# KiCad board hackpadd.kicad_pcb
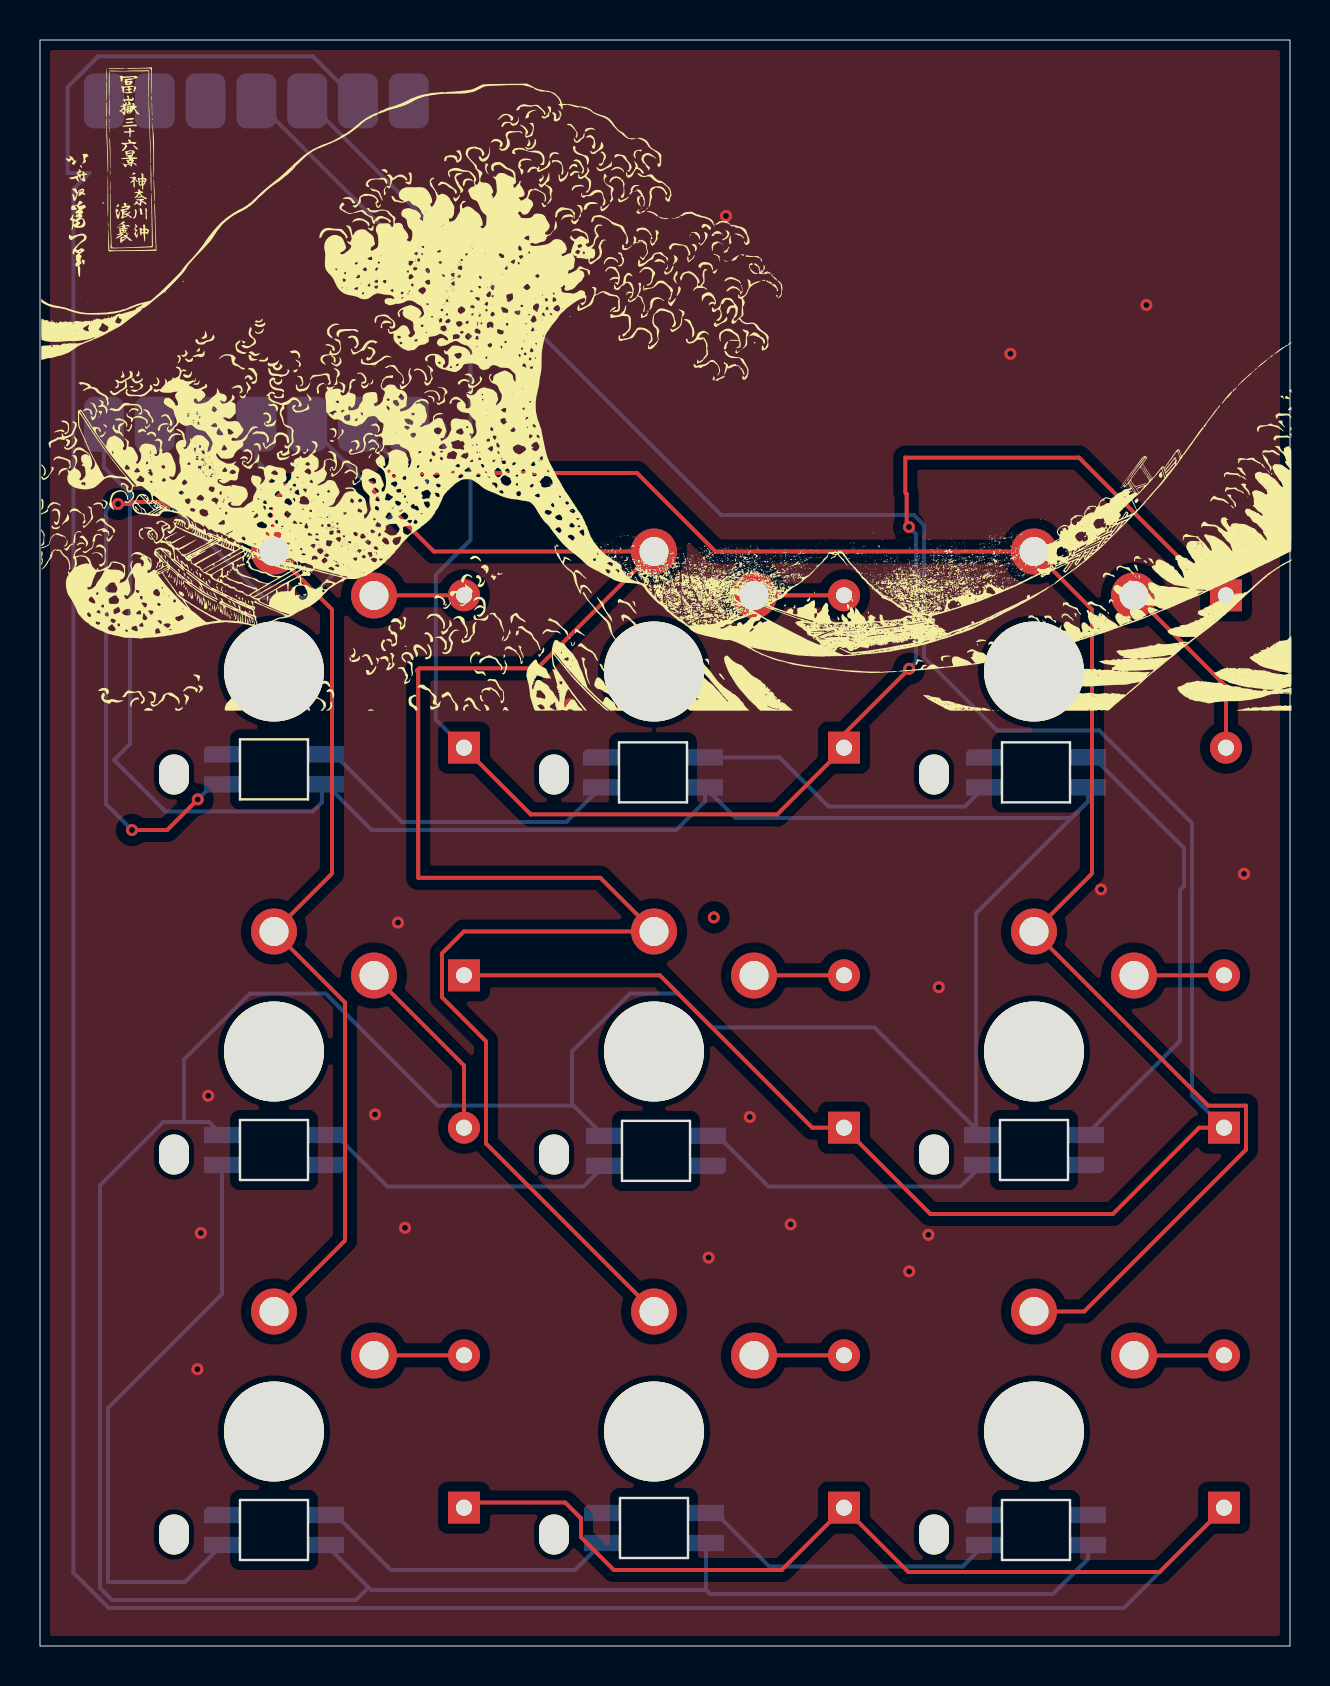
[diagram p0: board, top side]
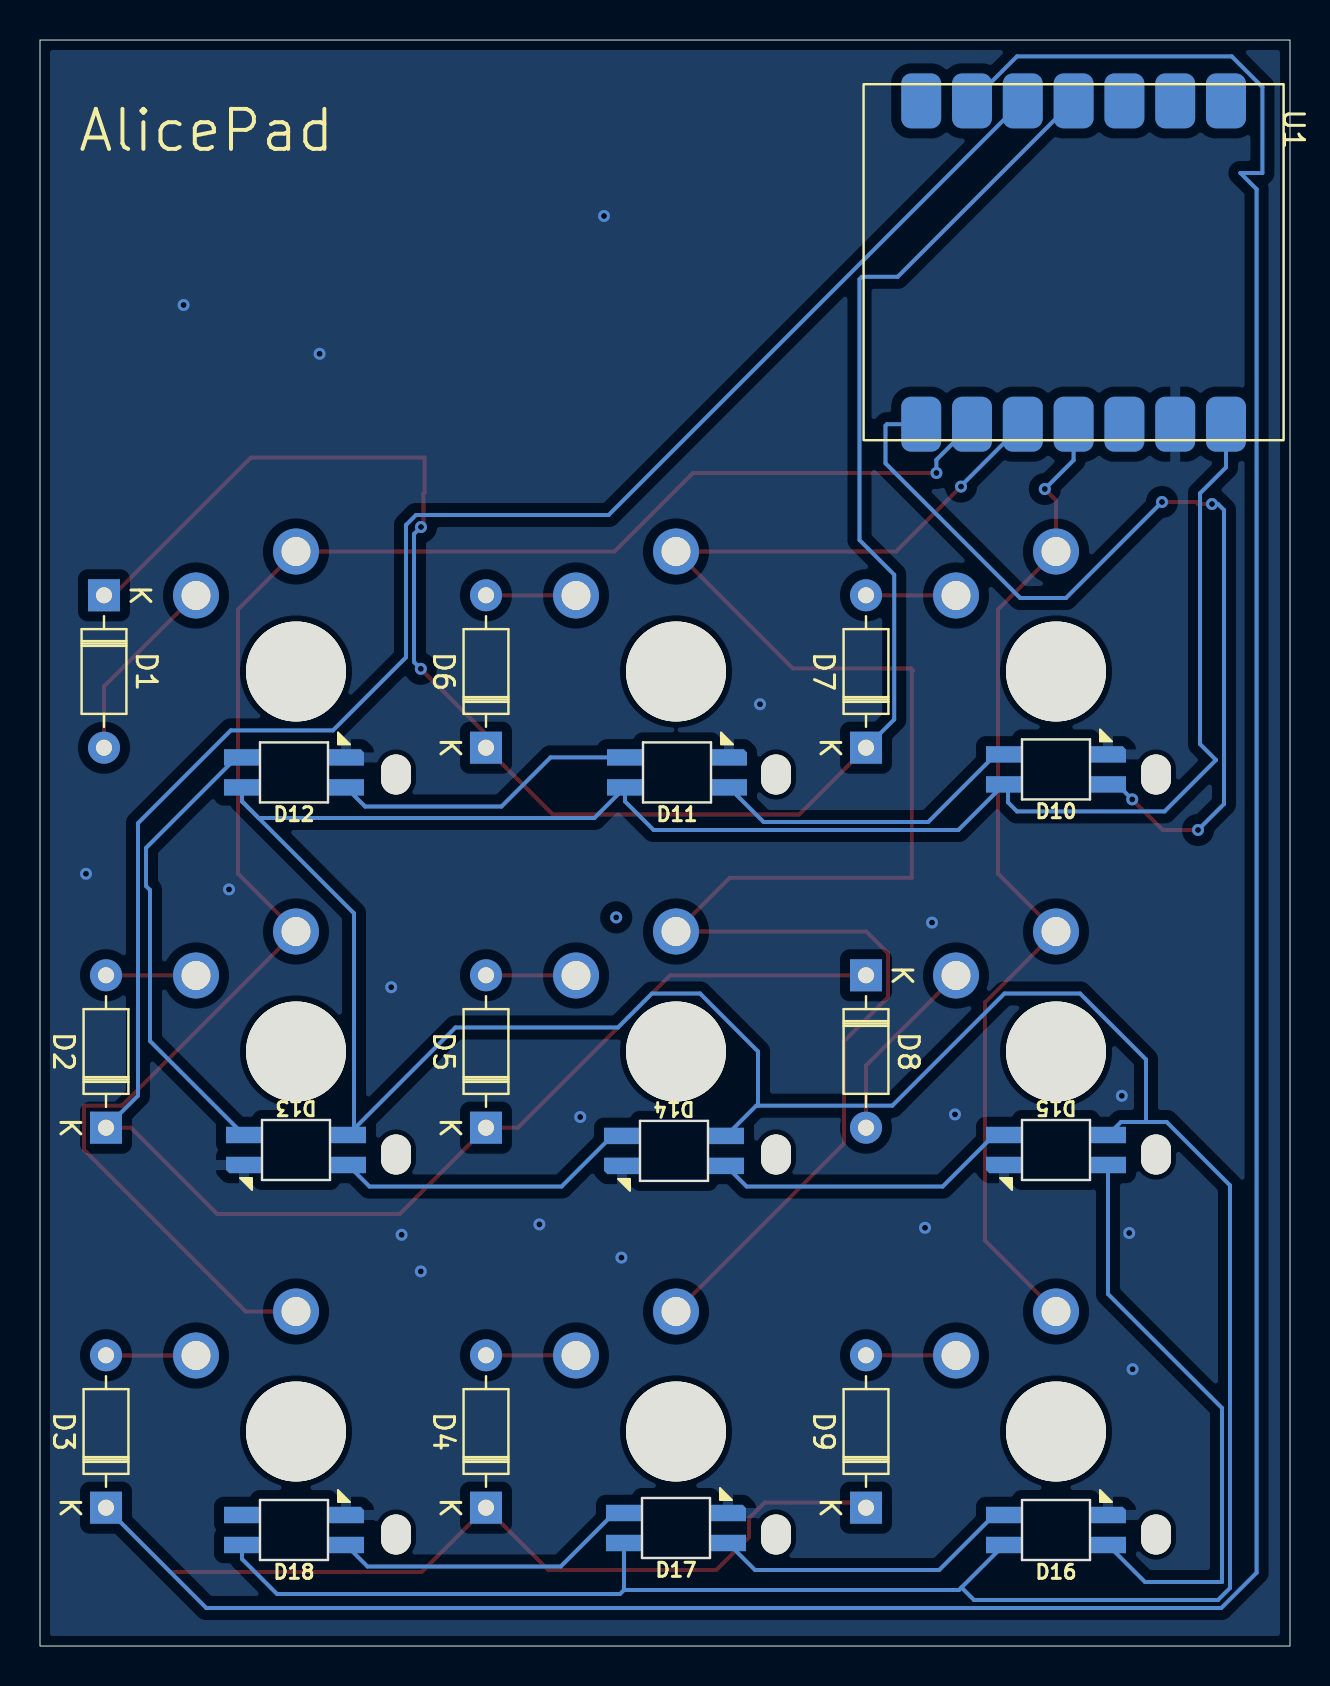
[diagram p1: board, bottom side, seen from below]

Outline 62.5 x 80.3 mm; copper layers: Top, Bottom. Coordinates in mm from the lower left corner of the outline.
Outline path: rectangle 0,80.3 62.5,0

## Placement (name value [footprint] x y rotation side)
D1  D  [D_DO-35_SOD27_P7.62mm_Horizontal]  59.3 52.53 270 bottom
D2  D  [D_DO-35_SOD27_P7.62mm_Horizontal]  59.2 25.91 90 bottom
D3  D  [D_DO-35_SOD27_P7.62mm_Horizontal]  59.2 6.91 90 bottom
D4  D  [D_DO-35_SOD27_P7.62mm_Horizontal]  40.2 6.91 90 bottom
D5  D  [D_DO-35_SOD27_P7.62mm_Horizontal]  40.2 25.91 90 bottom
D6  D  [D_DO-35_SOD27_P7.62mm_Horizontal]  40.2 44.91 90 bottom
D7  D  [D_DO-35_SOD27_P7.62mm_Horizontal]  21.2 44.91 90 bottom
D8  D  [D_DO-35_SOD27_P7.62mm_Horizontal]  21.2 33.53 270 bottom
D9  D  [D_DO-35_SOD27_P7.62mm_Horizontal]  21.2 6.91 90 bottom
D10  SK6812MINI  [SK6812MINI-E]  11.7 43.83 180 bottom
D11  SK6812MINI  [SK6812MINI-E]  30.65 43.68 180 bottom
D12  SK6812MINI  [SK6812MINI-E]  49.8 43.68 180 bottom
D13  SK6812MINI  [SK6812MINI-E]  49.7 24.8 0 bottom
D14  SK6812MINI  [SK6812MINI-E]  30.8 24.75 0 bottom
D15  SK6812MINI  [SK6812MINI-E]  11.7 24.8 0 bottom
D16  SK6812MINI  [SK6812MINI-E]  11.7 5.8 180 bottom
D17  SK6812MINI  [SK6812MINI-E]  30.7 5.9 180 bottom
D18  SK6812MINI  [SK6812MINI-E]  49.8 5.8 180 bottom
G***  -  [LOGO]  31.31 64.26 0 top
SW1  SW_Push  [Kailh PG1353 Solderable 1U]  11.7 48.72 0 top
SW2  SW_Push  [Kailh PG1353 Solderable 1U]  30.7 48.72 0 top
SW3  SW_Push  [Kailh PG1353 Solderable 1U]  49.7 48.72 0 top
SW4  SW_Push  [Kailh PG1353 Solderable 1U]  49.7 29.72 0 top
SW5  SW_Push  [Kailh PG1353 Solderable 1U]  30.7 29.72 0 top
SW6  SW_Push  [Kailh PG1353 Solderable 1U]  11.7 29.72 0 top
SW7  SW_Push  [Kailh PG1353 Solderable 1U]  11.7 10.72 0 top
SW8  SW_Push  [Kailh PG1353 Solderable 1U]  30.7 10.72 0 top
SW9  SW_Push  [Kailh PG1353 Solderable 1U]  49.7 10.72 0 top
U1  MOUDLE-SEEEDUINO-XIAO  [MOUDLE14P-SMD-2.54-21X17.8MM]  21.32 78.09 270 bottom

## Library data of the parts
D1-D9 = -: Description: Diode; Sim.Pins: 1=K 2=A; ki_fp_filters: TO-???* *_Diode_* *SingleDiode* D_*
D10-D18 = -: Datasheet: https://cdn-shop.adafruit.com/product-files/2686/SK6812MINI_REV.01-1-2.pdf; Description: RGB LED with integrated controller; ki_fp_filters: LED*SK6812MINI*PLCC*3.5x3.5mm*P1.75mm*
SW1-SW9 = -: Description: Push button switch, generic, two pins

## Footprints (pads in the part's own frame, mm; a bottom-side part is the same pattern mirrored in y, then rotated)
D_DO-35_SOD27_P7.62mm_Horizontal
  rect 1.6x1.6 hole 0.8: 1(0,0)
  oval 1.6x1.6 hole 0.8: 2(7.62,0)
Kailh PG1353 Solderable 1U
  oval 1.5x2 hole 1.5x2 unplated: (-5,-5.15)
  round 5 hole 5.1 unplated: (0,0)
  round 2.3 hole 1.45: 1(5,3.8) 2(0,6)
MOUDLE14P-SMD-2.54-21X17.8MM
  rrect 2.75x2 smd: 1(0.835,18.12) 2(0.835,15.58) 3(0.835,13.04) 4(0.835,10.5) 5(0.835,7.96) 6(0.835,5.42) 7(0.835,2.88) 8(17,2.88) 9(17,5.42) 10(17,7.96) 11(17,10.5) 12(17,13.04) 13(17,15.58) 14(17,18.12)
SK6812MINI-E
  rect 1.8x0.82 smd: 1(-2.6,0.75) 3(2.6,-0.75) 4(-2.6,-0.75)
  rrect 1.8x0.82 smd: 2(2.6,0.75)

## Nets
GND: D10.2 D11.2 D12.2 D13.2 D14.2 D15.2 D16.2 D17.2 D18.2 U1.13
Net-(D1-A): D1.2 SW3.1
Net-(D1-K): D1.1 D6.1 D7.1 U1.4
Net-(D2-A): D2.2 SW4.1
Net-(D2-K): D2.1 D5.1 D8.1 U1.5
Net-(D3-A): D3.2 SW9.1
Net-(D3-K): D3.1 D4.1 D9.1 U1.6
Net-(D4-A): D4.2 SW8.1
Net-(D5-A): D5.2 SW5.1
Net-(D6-A): D6.2 SW2.1
Net-(D7-A): D7.2 SW1.1
Net-(D8-A): D8.2 SW6.1
Net-(D9-A): D9.2 SW7.1
Net-(D10-DIN): D10.3 U1.8
Net-(D10-DOUT): D10.1 D11.3
Net-(D10-VDD): D10.4 D11.4 D12.4 D13.4 D14.4 D15.4 D16.4 D17.4 D18.4 U1.14
Net-(D11-DOUT): D11.1 D12.3
Net-(D12-DOUT): D12.1 D13.3
Net-(D13-DOUT): D13.1 D14.3
Net-(D14-DOUT): D14.1 D15.3
Net-(D15-DOUT): D15.1 D16.3
Net-(D16-DOUT): D16.1 D17.3
Net-(D17-DOUT): D17.1 D18.3
Net-(U1-PA5_A9_D9_MISO): SW2.2 SW5.2 SW8.2 U1.10
Net-(U1-PA6_A10_D10_MOSI): SW1.2 SW6.2 SW7.2 U1.11
Net-(U1-PA7_A8_D8_SCK): SW3.2 SW4.2 SW9.2 U1.9

Pads without a net: D18 1; U1 1 2 3 7 12

## Via types
v1: diameter 0.6, hole 0.3, Top to Bottom, 28 vias

## Routing (per net, layer and track width the routed paths; a pad name or vN(x,y) marks a point on that pad's centre or on a via; arc(x,y) is an arc through that point)
GND:
  vias: v1(7.87,13.84) v1(8.04,20.65) v1(8.41,27.51) v1(16.75,26.58) v1(17.9,36.17) v1(18.25,20.91) v1(26.5,47.09) v1(33.43,19.42) v1(34.3,71.5) v1(35.49,26.45) v1(37.53,21.08) v1(43.46,18.73) v1(44.42,20.56) v1(44.94,32.94) v1(48.52,64.61) v1(53.05,37.83) v1(55.32,67.05) v1(60.2,38.61)
(no net):
  vias: v1(33.69,36.43)
Net-(D1-A): length 9.6
  Top w0.2: SW3.1 54.7,52.54 54.72,52.56 59.3,47.98 D1.2
Net-(D1-K): length 97.1
  Top w0.2: D6.1 40.2,45.6 v1(43.46,48.86) ; D6.1 40.2,44.7 40.1,44.6 ; D6.1 36.87,41.58 24.53,41.58 D7.1 ; D1.1 59.3,52.07 59.32,52.05 51.95,59.42 43.27,59.42 43.27,57.67 43.33,57.61 43.33,56.07 v1(43.45,55.95)
  Bottom w0.2: v1(43.46,48.86) 43.8,49.2 43.8,55.6 v1(43.45,55.95) ; D7.1 19.79,46.32 19.79,53.56 21.53,55.3 21.53,68.33 21.4,68.46 19.62,68.46 U1.4
Net-(D2-A): length 4.5
  Top w0.2: D2.2 54.71,33.53 SW4.1
Net-(D2-K): length 123.8
  Top w0.2: D2.1 57.95,25.91 53.64,21.6 44.52,21.6 D5.1 38.61,25.91 30.99,33.53 D8.1 ; 21.14,33.53 21.04,33.63
  Bottom w0.2: U1.5 34.06,56.55 43.7,56.55 44.2,56.05 44.2,49.43 47.85,45.78 52.96,45.78 57.6,41.14 57.6,27.52 D2.1
Net-(D3-A): length 4.5
  Top w0.2: D3.2 59.19,14.52 SW9.1
Net-(D3-K): length 196.3
  Top w0.2: D3.1 55.98,3.7 43.42,3.7 D4.1 37.09,3.8 28.69,3.8 27.05,5.44 27.05,6.38 26.26,7.17 21.46,7.17 D9.1
  Bottom w0.2: U1.6 15.85,77.25 15.76,77.17 15.76,77.37 13.65,79.48 2.91,79.48 1.38,77.95 1.38,73.65 2.48,73.65 1.67,72.84 1.67,3.66 3.43,1.9 54.19,1.9 D3.1
Net-(D4-A): length 4.5
  Top w0.2: D4.2 35.71,14.53 SW8.1
Net-(D5-A): length 4.5
  Top w0.2: SW5.1 35.71,33.53 D5.2
Net-(D6-A): length 4.5
  Top w0.2: SW2.1 35.71,52.53 D6.2
Net-(D7-A): length 4.8
  Top w0.2: SW1.1 16.7,52.3 16.94,52.53 D7.2
Net-(D8-A): length 9.5
  Top w0.2: SW6.1 21.2,29.02 D8.2
Net-(D9-A): length 4.5
  Top w0.2: D9.2 16.71,14.53 SW7.1
Net-(D10-DIN): length 48.5
  Top w0.2: v1(7.89,42.33) 6.36,40.8 5.2,40.8 5.7,40.8 v1(4.6,40.8) ; v1(6.4,57.2) 4.7,57.2 4.6,57.1 v1(3.9,57.1)
  Bottom w0.2: v1(3.9,57.1) 3.6,57.1 3.3,56.8 3.3,42.1 v1(4.6,40.8) ; v1(6.4,57.2) 11.2,52.4 13.49,52.4 20.23,59.13 20.23,61.02 20.15,61.09 U1.8 ; D10.3 8.64,43.08 v1(7.89,42.33)
Net-(D10-DOUT): length 15.9
  Bottom w0.2: D10.1 14.71,44.58 18.09,41.2 26.32,41.2 D11.3
Net-(D10-VDD): length 232.3
  Bottom w0.2: 26.6,27.02 26.6,29.73 29.5,32.62 31.9,32.62 33.6,30.93 41.72,30.93 D13.4 46.8,25.85 46.8,36.63 52.4,42.23 ; 26.6,27.02 26.69,27.02 D14.4 ; 26.6,27.02 19.89,27.02 14.28,32.62 10.5,32.62 7.2,29.33 7.2,26.2 ; 7.2,26.2 8.45,26.2 D15.4 ; 7.2,26.2 6.17,26.2 3,23.03 3,2.9 3.6,2.3 15.8,2.3 16.43,2.92 ; D12.4 52.4,42.23 ; 52.4,42.23 51.57,41.4 34.78,41.4 D11.4 ; U1.14 3.2,58.93 4.5,57.63 4.5,45.1 3.7,44.3 6.27,41.73 13.65,41.73 14.1,42.18 14.1,43.28 D10.4 16.58,40.8 31.82,40.8 33.25,42.23 D11.4 ; D11.4 33.29,42.89 ; 33.3,2.8 33.5,2.6 50.65,2.6 52.4,4.35 D18.4 ; 33.3,2.8 16.55,2.8 16.43,2.92 ; 33.3,2.8 D17.4 ; 16.43,2.92 D16.4
Net-(D11-DOUT): length 15.4
  Bottom w0.2: D12.3 46.25,41.97 39.42,41.97 36.97,44.43 D11.1
Net-(D12-DOUT): length 23.1
  Bottom w0.2: D12.1 52.67,44.43 57.2,39.9 57.2,38 57,37.8 57,30.25 D13.3
Net-(D13-DOUT): length 15.2
  Bottom w0.2: D13.1 46.03,22.97 36.42,22.97 33.89,25.5 D14.3
Net-(D14-DOUT): length 15.4
  Bottom w0.2: D15.3 14.79,25.55 17.37,22.97 27.17,22.97 D14.1
Net-(D15-DOUT): length 29.7
  Bottom w0.2: D15.1 9.1,17.6 3.4,11.9 3.4,3.2 7.25,3.2 D16.3
Net-(D16-DOUT): length 15.5
  Bottom w0.2: D17.3 26.75,3.8 17.54,3.8 14.79,6.55 D16.1
Net-(D17-DOUT): length 15.5
  Bottom w0.2: D18.3 46.12,3.97 36.47,3.97 33.79,6.65 D17.1
Net-(U1-PA5_A9_D9_MISO): length 90.9
  Top w0.2: v1(16.45,57.97) 19.7,54.72 SW2.2 24.86,48.88 18.96,48.88 18.85,48.77 18.91,48.71 18.91,38.41 28.02,38.41 SW5.2 21.19,35.72 20.1,34.63 20.1,32.43 22.3,30.23 22.3,25.12 SW8.2
  Bottom w0.2: v1(16.45,57.97) 16.45,58 U1.10
Net-(U1-PA6_A10_D10_MOSI): length 50.5
  Top w0.2: SW7.2 15.25,20.27 15.25,32.17 SW6.2 14.6,38.62 14.6,51.82 SW1.2 11.7,57.29 v1(12.26,57.85)
  Bottom w0.2: v1(12.26,57.85) 10.82,59.29 U1.11
Net-(U1-PA7_A8_D8_SCK): length 88.6
  Top w0.2: v1(17.68,58.65) 29.85,58.65 33.78,54.72 SW3.2 52.6,51.82 52.6,38.62 SW4.2 58.41,27.02 60.3,27.02 60.3,24.81 52.21,16.72 SW9.2
  Bottom w0.2: U1.9 17.68,59.31 v1(17.68,58.65) 17.69,58.65

## Copper pours and planes (outline as drawn; the poured copper is in the pictures)
GND on Top, Bottom: -1.3,83.1 -10.3,53.6 -11.5,-4.6 84,-11.6 102.3,75.1 5.9,99.8

## Text on the board
B.Silkscreen: AlicePad
